# Altium PCB PCIe_to_M2E.PcbDoc (part 1 of 6) (continued)
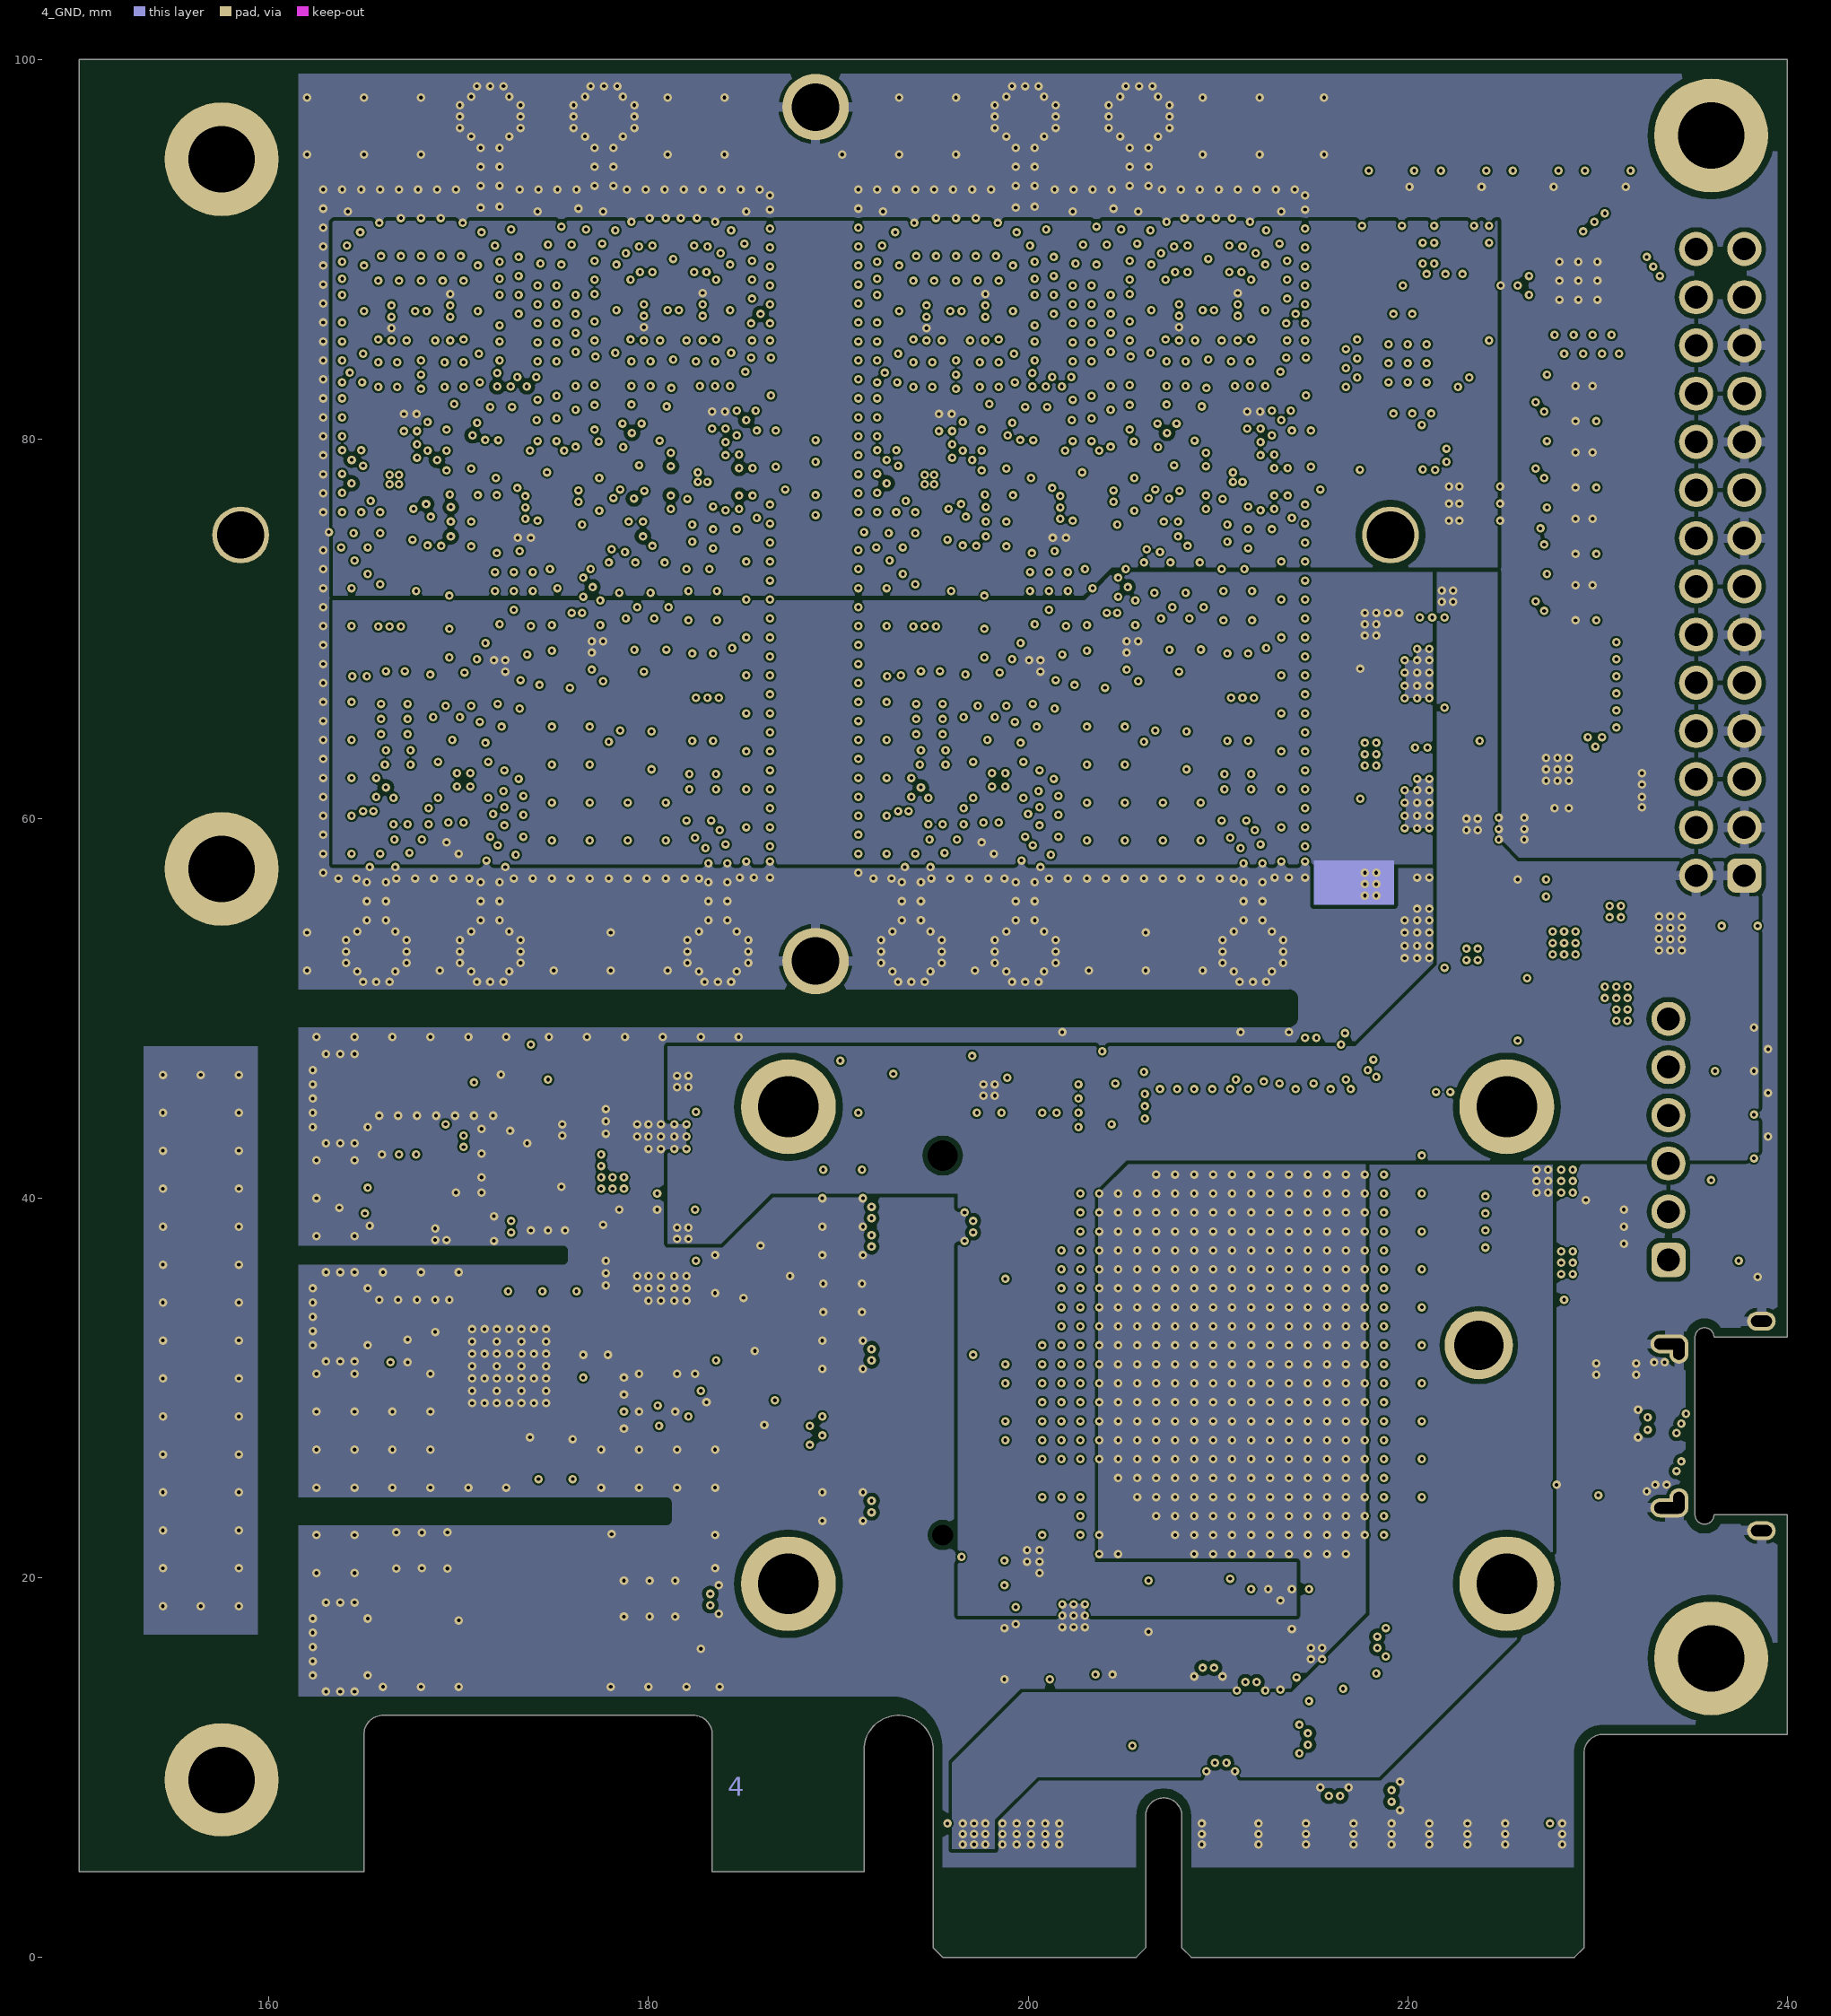
[diagram p4: 4_GND]
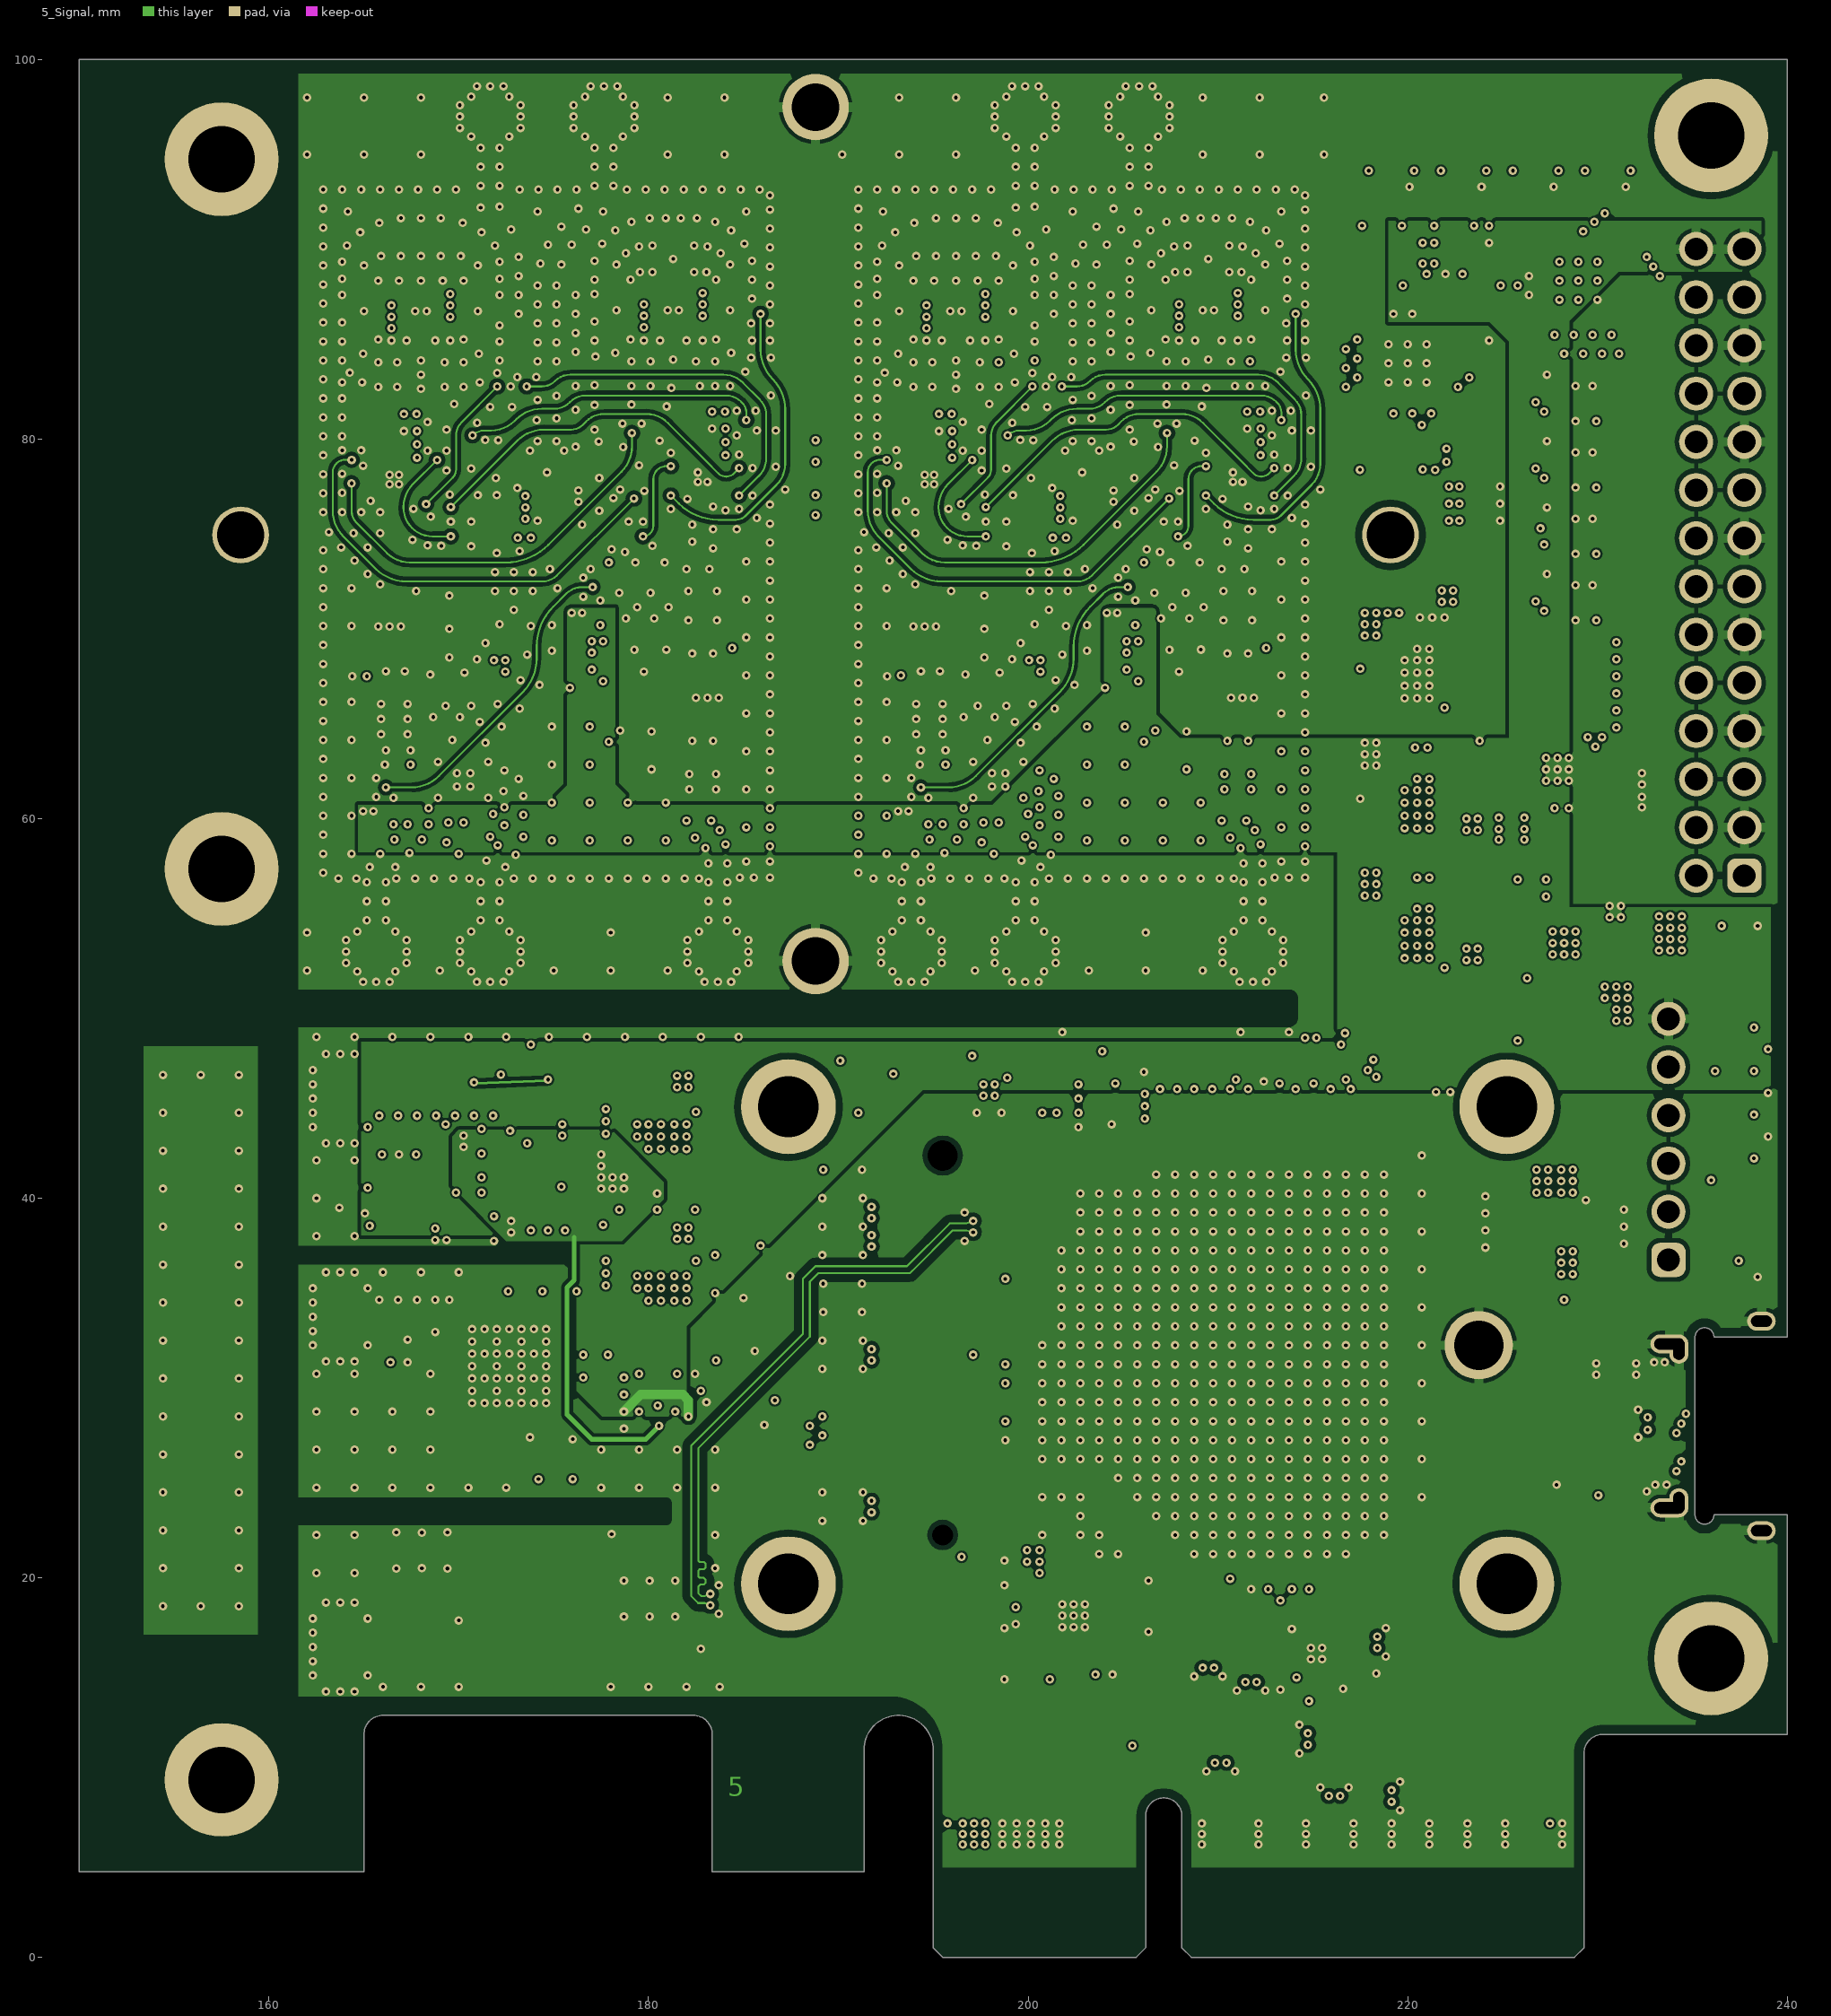
[diagram p5: 5_Signal]
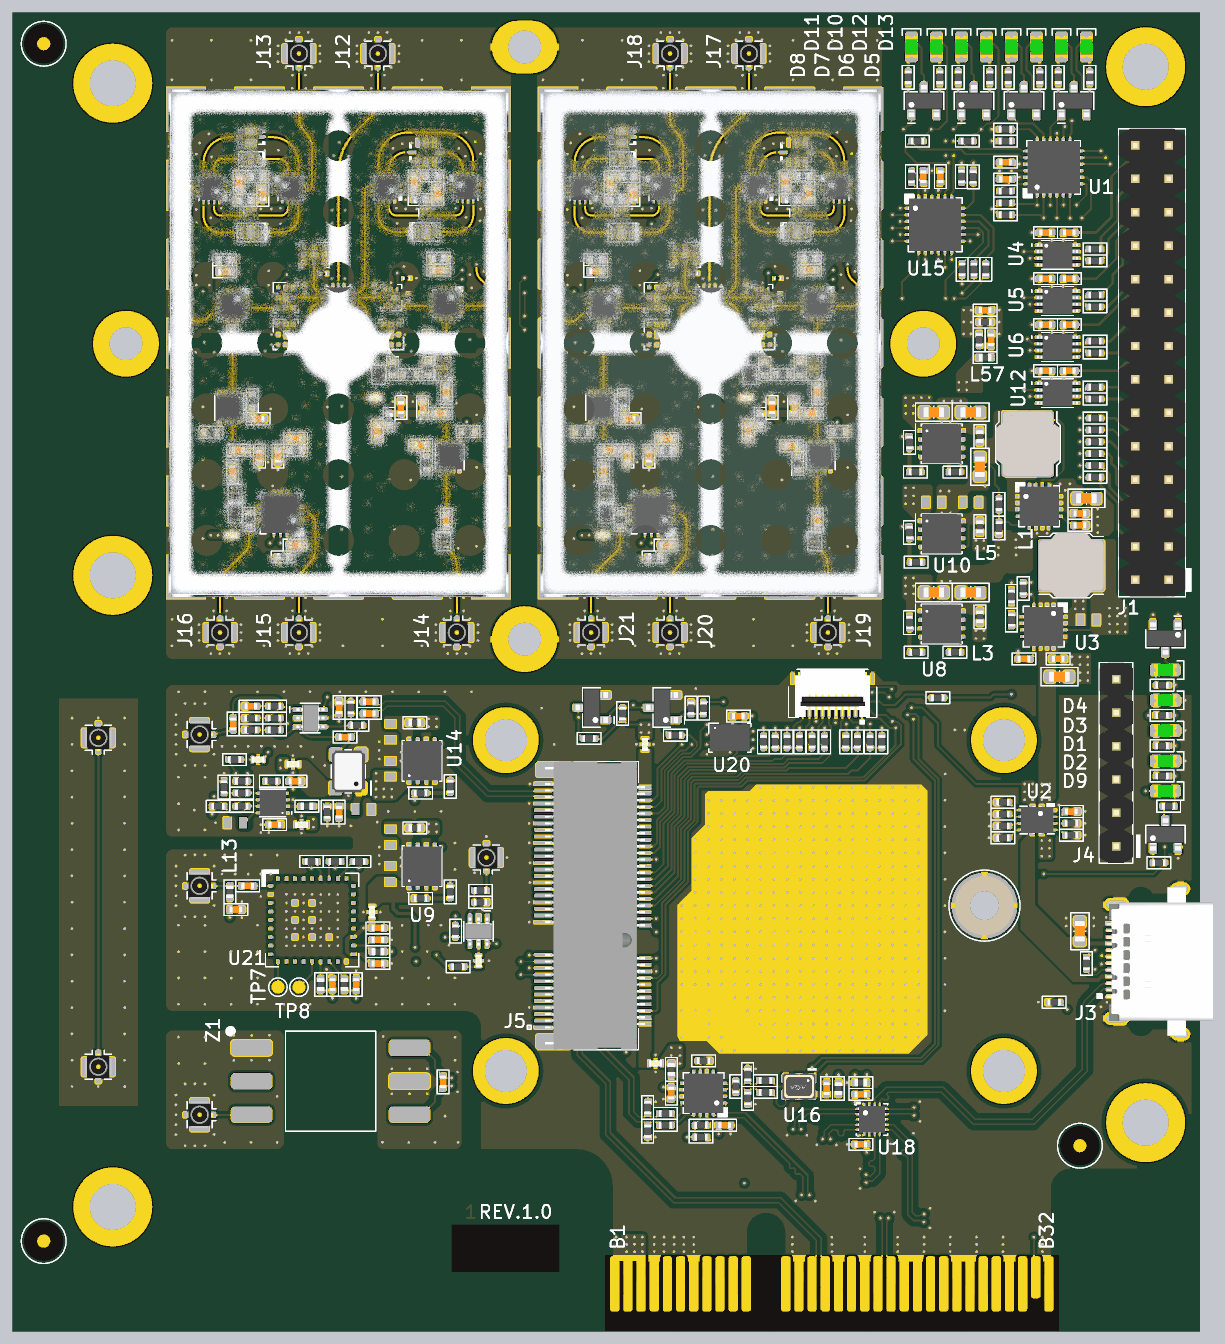
[diagram p11: 3D render of the assembled board from above, using the file's embedded part models]

## Layer stack, top to bottom
Top Solder: solder mask 0.01, Solder Resist, Dk 3.5
1_TOP: signal copper 0.038
PP01: prepreg 0.0946, PP-006, Dk 4.1
2_GND: signal copper 0.018
CORE01: core 0.24, PP-006, Dk 4.1
3_Signal: signal copper 0.018
PP02: dielectric 0.8, FR-4, Dk 4.8
4_GND: signal copper 0.018
CORE02: core 0.24, PP-006, Dk 4.1
5_Signal: signal copper 0.018
PP03: prepreg 0.0946, PP-006, Dk 4.1
6_BOTTOM: signal copper 0.038
Bottom Solder: solder mask 0.01, Solder Resist, Dk 3.5

## Board outline
150,4.5 165,4.5 165,11.75 cw(c166,11.75) 166,12.75 182.35,12.75 cw(c182.35,11.75) 183.35,11.75 183.35,4.5 191.35,4.5 191.35,10.925 cw(c193.175,10.925) 195,10.925 195,0.5 195.5,0 205.7,0 206.2,0.5 206.2,7.45 cw(c207.15,7.45) 208.1,7.45 208.1,0.5 208.6,0 228.8,0 229.3,0.5 229.3,10.75 cw(c230.3,10.75) 230.3,11.75 240,11.75 240,23.325 236.15,23.325 cw(c235.65,23.325) 235.15,23.325 235.15,32.675 cw(c235.65,32.675) 236.15,32.675 240,32.675 240,100 150,100

## Design rules (kind name [scope] priority, off if disabled: settings)
BoardOutlineClearance BoardOutlineClearance_via [(ObjectKind = 'Via') And (Net = 'USB_CC2') And (AsMM(X1) = 234.674) And (AsMM(Y1) = 28.636)] p1: gap=0.25 ignorepadtopadclearanceinfootprint=FALSE
BoardOutlineClearance BOCL_J4 [InComponent('J2') or InComponent('J3')] p2: gap=0 ignorepadtopadclearanceinfootprint=FALSE
BoardOutlineClearance [All] p3: gap=0.5 ignorepadtopadclearanceinfootprint=FALSE
Clearance CL_Default_U18 [InComponent('U18')] p1: gap=0.1 ignorepadtopadclearanceinfootprint=TRUE except(0: Arc-Hole Track-Hole SMDPad-Hole THPad-Hole Via-Hole Fill-Hole Poly-Hole Region-Hole Text-Hole)
Clearance CL_MH_J5_KEEPOUT [InPadClass('J5MH') vs IsKeepOut] p2: gap=0 ignorepadtopadclearanceinfootprint=TRUE
Clearance CL_MH_J5 [InPadClass('J5MH')] p3: gap=0.25 ignorepadtopadclearanceinfootprint=TRUE except(0: Arc-Hole Track-Hole SMDPad-Hole THPad-Hole Via-Hole Fill-Hole Poly-Hole Region-Hole Text-Hole)
Clearance CL_MH [InPadClass('MH')] p4: gap=0.35 ignorepadtopadclearanceinfootprint=TRUE except(0: Arc-Hole Track-Hole SMDPad-Hole THPad-Hole Via-Hole Fill-Hole Poly-Hole Region-Hole Text-Hole)
Clearance CL_FID [IsKeepOut vs InPadClass('FID')] p5: gap=0 ignorepadtopadclearanceinfootprint=TRUE
Clearance CL_RF_CON [IsKeepOut vs InComponentClass('RF_con')            or InComponent('J24')] p6: gap=0 ignorepadtopadclearanceinfootprint=TRUE
Clearance CL_Diff_pair [InAnyDifferentialPair] p7: gap=0.2 ignorepadtopadclearanceinfootprint=TRUE except(0: Arc-Hole Track-Hole SMDPad-Hole THPad-Hole Via-Hole Fill-Hole Poly-Hole Region-Hole Text-Hole; 0.1: Arc-Arc Arc-Track Arc-Via Track-Track Track-Via SMDPad-Via Via-Via; 0.125: Arc-SMDPad Track-SMDPad; 0.15: SMDPad-SMDPad; 0.25: Arc-THPad Track-THPad SMDPad-THPad THPad-THPad THPad-Via THPad-Fill THPad-Poly THPad-Region; 0.4: Arc-Fill Arc-Poly Arc-Region Track-Fill Track-Poly)
Clearance CL_50_Ohm_RF [InNetClass('50_Ohm_RF')] p8: gap=0.2 ignorepadtopadclearanceinfootprint=TRUE except(0: Arc-Hole Track-Hole SMDPad-Hole THPad-Hole Via-Hole Fill-Hole Poly-Hole Region-Hole Text-Hole; 0.1: Arc-Arc Arc-Track Arc-Via Track-Track Track-Via SMDPad-Via Via-Via; 0.125: Arc-SMDPad Track-SMDPad; 0.195: SMDPad-SMDPad; 0.25: Arc-THPad Track-THPad SMDPad-THPad THPad-THPad THPad-Via THPad-Fill THPad-Poly THPad-Region)
Clearance CL_INNER_LAYERS [InLayerClass('Inner_Layers')] p9: gap=0.2 ignorepadtopadclearanceinfootprint=FALSE except(0: Arc-Hole Track-Hole SMDPad-Hole THPad-Hole Via-Hole Fill-Hole Poly-Hole Region-Hole Text-Hole; 0.1: Arc-Arc Arc-Track Arc-Via Track-Track Track-Via SMDPad-Via Via-Via Via-Fill Via-Poly Via-Region; 0.125: Arc-SMDPad Track-SMDPad; 0.25: Arc-THPad Track-THPad SMDPad-THPad THPad-THPad THPad-Via THPad-Fill THPad-Poly THPad-Region)
Clearance CL_Default [All] p10: gap=0.2 ignorepadtopadclearanceinfootprint=TRUE except(0: Arc-Hole Track-Hole SMDPad-Hole THPad-Hole Via-Hole Fill-Hole Poly-Hole Region-Hole Text-Hole; 0.1: Arc-Arc Arc-Track Arc-Via Track-Track Track-Via SMDPad-Via Via-Via; 0.125: Arc-SMDPad Track-SMDPad; 0.25: Arc-THPad Track-THPad SMDPad-THPad THPad-THPad THPad-Via THPad-Fill THPad-Poly THPad-Region)
DiffPairsRouting DP_90_Ohm [InDifferentialPairClass('90_Ohm')] p1: maxlimit=0.254 minlimit=0.2 mostfreqgap=0.254 toplayer_maxgap=0.2 toplayer_prefgap=0.2 toplayer_minwidth=0.14 toplayer_maxwidth=0.14 toplayer_prefwidth=0.14 midlayer1_mingap=0.254 midlayer1_minwidth=0.381 midlayer1_maxwidth=0.381 midlayer1_prefwidth=0.381 midlayer2_mingap=0.254 midlayer2_minwidth=0.381 midlayer2_maxwidth=0.381 midlayer2_prefwidth=0.381 midlayer3_mingap=0.254 midlayer3_minwidth=0.381 midlayer3_maxwidth=0.381 midlayer3_prefwidth=0.381 midlayer4_mingap=0.254 midlayer4_minwidth=0.381 midlayer4_maxwidth=0.381 midlayer4_prefwidth=0.381 bottomlayer_maxgap=0.2 bottomlayer_prefgap=0.2 bottomlayer_minwidth=0.14 bottomlayer_maxwidth=0.14 bottomlayer_prefwidth=0.14 maxuncoupledlength=12.7
DiffPairsRouting DP_100_Ohm [InDifferentialPairClass('100_Ohm')] p2: maxlimit=0.5 minlimit=0.25 mostfreqgap=0.5 toplayer_maxgap=0.25 toplayer_prefgap=0.25 toplayer_minwidth=0.12 toplayer_maxwidth=0.12 toplayer_prefwidth=0.12 midlayer1_mingap=0.5 midlayer1_minwidth=0.5 midlayer1_maxwidth=0.5 midlayer1_prefwidth=0.5 midlayer2_mingap=0.27 midlayer2_maxgap=0.27 midlayer2_prefgap=0.27 midlayer2_minwidth=0.1 midlayer2_maxwidth=0.1 midlayer2_prefwidth=0.1 midlayer3_mingap=0.5 midlayer3_minwidth=0.5 midlayer3_maxwidth=0.5 midlayer3_prefwidth=0.5 midlayer4_mingap=0.5 midlayer4_minwidth=0.5 midlayer4_maxwidth=0.5 midlayer4_prefwidth=0.5 bottomlayer_maxgap=0.25 bottomlayer_prefgap=0.25 bottomlayer_minwidth=0.12 bottomlayer_maxwidth=0.12 bottomlayer_prefwidth=0.12 maxuncoupledlength=12.7
Height [All] p1: minheight=0 maxheight=999 prefheight=12.7
HoleSize [All] p1: absolutevalues=TRUE maxlimit=10 minlimit=0.025 maxpercent=80.000 minpercent=20.000
HoleToHoleClearance HTHCL [InComponent('J3') vs InComponent('J3')] p1: gap=0 allowstackedmicrovias=TRUE
HoleToHoleClearance [All] p2: gap=0.254 allowstackedmicrovias=TRUE
MatchedLengths [All] p1: tolerance=0.1 checknetsindiffpair=TRUE checkdiffpairvsdiffpair=FALSE checkxsignals=FALSE checkothers=FALSE
MinimumSolderMaskSliver MinimumSolderMaskSliver_U18 [(ObjectKind = 'Component') And (Name = 'U18') And (Footprint = 'QFN19P40_200X200X40L25X20T100N')] p1: minsoldermaskwidth=0
MinimumSolderMaskSliver [All] p2: minsoldermaskwidth=0.05
PolygonConnect [All] p1: thpad.connectstyle=Relief thpad.reliefconductorwidth=0.5 thpad.reliefentries=4 thpad.polygonreliefangle="90 Angle" thpad.airgapwidth=0.2 smdpad.connectstyle=Direct smdpad.reliefconductorwidth=0.2 smdpad.reliefentries=4 smdpad.polygonreliefangle="90 Angle" smdpad.airgapwidth=0.1 via.connectstyle=Direct via.reliefconductorwidth=0.254 via.reliefentries=4 via.polygonreliefangle="90 Angle" via.airgapwidth=0.254
RoutingVias [All] p1: holewidth=0.711 width=0.5 viastyle="Through Hole" minholewidth=0.711 minwidth=0.5 maxholewidth=0.711 maxwidth=0.5 useviatemplates=TRUE viatemplateguid#1={9582DA58-FCE0-4B66-A431-5CC799179341} viatemplatename#1=v45h20m0mx0
SilkToSilkClearance [All] p1: silktosilkclearance=0
SilkToSolderMaskClearance [IsPad] p1: minsilkscreentomaskgap=0.1 clearancetoexposedcopper=TRUE
SolderMaskExpansion [All] p1: expansion=0.102 istentingtop=FALSE
UnRoutedNet [All] p1: checkbadconnections=TRUE
Width W_50_Ohm_RF [InNetClass('50_Ohm_RF')] p1: maxlimit=0.5 minlimit=0.1 preferedwidth=0.5 toplayer_maxwidth=0.15 toplayer_prefwidth=0.15 midlayer1_minwidth=0.5 midlayer2_maxwidth=0.1 midlayer2_prefwidth=0.1 midlayer3_minwidth=0.5 midlayer4_minwidth=0.5 bottomlayer_minwidth=0.5 minimp=50.000000 maximp=50.000000 favimp=50.000000
Width [All] p2: maxlimit=0.5 minlimit=0.1 preferedwidth=0.15
22 further rules are at their usual default settings.

## Classes and differential pairs
pad class J5MH: J5-MH
component class PCIe_to_M2E: C30 C31 C32 C33 C34 C35 C36 C37 C38 C39 C40 C41 C42 C43 C44 C45 C46 C47 C48 C49 C50 C51 C52 C53 C54 C55 C56 C57 C58 C59 C67 C81 C106 C107 C110 D9 D10 D11 D12 D13 J2 J3 J4 J5 J6 J7 J8 J9 J10 J22 J24 L7 L8 L9 L10 L11 L12 L13 L14 Mech1 Mech2 Mech4 Q6 Q7 Q8 R19 R20 R21 R22 R53 R54 R55 R56 R57 R58 R59 R60 R61 R62 R63 R64 R65 R66 R67 R68 R69 R70 R71 R72 R73 R74 R75 R76 R77 R78 R79 R80 R81 R82 R83 R84 R85 R86 R87 R88 R89 R90 R91 R92 R93 R94 R95 R96 R98 R100 R101 R102 R103 R104 R105 R106 R107 R108 R109 R130 R131 R132 R133 R134 R135 R138 TP7 TP8 U13 U15 U16 U17 U18 U19 U20 U21 U22 U47 Z1
pad class FID: FID1-FID FID2-FID FID3-FID
pad class MH: Free-MH J5-MH Mech2-MH Mech4-MH
component class B1: C85 C86 C87 C88 C90 C91 C92 C93 C94 C95 C96 C97 C98 C99 C100 C101 C102 C108 C109 J17 J18 J19 J20 J21 L46 L47 L48 L50 L51 L52 L53 L54 L56 Mech5 R117 R118 R119 R120 R121 R122 R123 R124 R136 R137 U38 U39 U40 U41 U42 U43 U44 U45 U46 Z22 Z23 Z24 Z25 Z26 Z27 Z28 Z29 Z30 Z31
component class C1: C82 C83 C84 L36 L37 L38 L39 L40 L41 L42 L43 L44 L45 U35 U36 U37 Z14 Z18 Z19 Z20 Z21
differential pair class 90_Ohm: USB_D
differential pair class 100_Ohm: CAL EXTREF H_PCIE_RX1 H_PCIE_TX1 H_RX0 H_RX1 H_TX0 H_TX1 H_USB3_RX H_USB3_TX PCI_REF_CLK SERDES_REF_CLK USB_D
net class 50_Ohm_RF: NetC51_1 NetC51_2 NetC57_1 NetC58_1 NetC58_2 NetC66_1 NetC66_2 NetC67_1 NetC72_1 NetC72_2 NetC73_1 NetC73_2 NetC80_1 NetC80_2 NetC81_1 NetC81_2 NetC88_1 NetC88_2 NetC94_1 NetC94_2 NetC95_1 NetC95_2 NetC102_1 NetC102_2 NetJ10_1 NetJ12_1 NetJ13_1 NetJ14_1 NetJ15_1 NetJ16_1 NetJ17_1 NetJ18_1 NetJ19_1 NetJ20_1 NetJ21_1 NetL29_1 NetL30_1 NetL31_1 NetL32_1 NetL33_1 NetL34_1 NetL35_1 NetL37_1 NetL38_1 NetL39_1 NetL40_1 NetL41_1 NetL42_1 NetL43_1 NetR110_2 NetR111_2 NetR114_2 NetR118_2 NetR119_2 NetR123_2 NetU24_5 NetU24_11 NetU24_12 NetU24_13 NetU25_5 NetU25_11 NetU25_12 NetU25_13 NetU26_4 NetU26_6 NetU26_7 NetU26_9 NetU26_11 NetU27_4 NetU27_6 NetU27_9 NetU27_11 NetU28_4 NetU28_6 NetU28_7 NetU28_11 NetU29_4 NetU29_6 NetU29_7 NetU29_9 NetU29_11 NetU31_3 NetU34_1 NetU38_9 NetU39_9 NetU41_9 NetU43_3 NetU46_1 NetZ17_3 NetZ29_3
differential pair H_USB3_RX: +H_USB3_RX_P -H_USB3_RX_N
differential pair H_USB3_TX: +H_USB3_TX_P -H_USB3_TX_N
differential pair SERDES_REF_CLK: +SERDES_REF_CLK_P -SERDES_REF_CLK_N
differential pair H_TX0: +H_TX0_P -H_TX0_N
differential pair H_PCIE_TX1: +H_PCIE_TX1_P -H_PCIE_TX1_N
differential pair USB_D: +USB_D_P -USB_D_N
differential pair PCI_REF_CLK: +PCI_REF_CLK_P -PCI_REF_CLK_N
differential pair H_TX1: +H_TX1_P -H_TX1_N
differential pair H_RX1: +H_RX1_P -H_RX1_N
differential pair H_RX0: +H_RX0_P -H_RX0_N
differential pair H_PCIE_RX1: +H_PCIE_RX1_P -H_PCIE_RX1_N
differential pair EXTREF: +EXTREF_P -EXTREF_N
differential pair CAL: +CAL_P -CAL_N

## Components (designator, comment, footprint, x,y, rotation, side; value= is the part's Value field where it differs from the comment)
C1 "GRM155R71E104KE14D" CAPC100X50X55L25N 225.35,88.75 r0 top value=0.1u
C2 "GRM155R71E104KE14D" CAPC100X50X55L25N 225.35,87.45 r0 top value=0.1u
C3 "Cap-0603-X5R-25V-10u-20%" CAPC160X80X100L40N 229.45,49.65 r0 top value=10u
C4 "GRM155R71E104KE14D" CAPC100X50X55L25N 226.75,51 r180 top value=0.1u
C5 "GRM155R71E104KE14D" CAPC100X50X55L25N 229.35,51 r0 top value=0.1u
C6 "GRM155R71E104KE14D" CAPC100X50X55L25N 230.35,39.4 r0 top value=0.1u
C7 "GRM188C80G476ME01D" SMD-0603-CAP_HighDensity 231.65,53.95 r180 top value=47µF
C8 "GRM155R71E104KE14D" CAPC100X50X55L25N 228.4,83.4 r0 top value=0.1u
C9 "GRM155R71E104KE14D" CAPC100X50X55L25N 228.4,79.9 r0 top value=0.1u
C10 "GRM155R71E104KE14D" CAPC100X50X55L25N 228.4,76.4 r0 top value=0.1u
C11 "GRM155R71E104KE14D" CAPC100X50X55L25N 230.2,83.4 r0 top value=0.1u
C12 "GRM155R71E104KE14D" CAPC100X50X55L25N 230.2,79.9 r0 top value=0.1u
C13 "GRM155R71E104KE14D" CAPC100X50X55L25N 230.2,76.4 r0 top value=0.1u
C14 "Cap-0603-X5R-25V-10u-20%" CAPC160X80X100L40N 222.7,69.75 r180 top value=10u
C15 "Cap-0603-X5R-25V-10u-20%" CAPC160X80X100L40N 222.7,56.05 r180 top value=10u
C16 "GRM188C80G476ME01D" SMD-0603-CAP_HighDensity 178.6,37.45 r270 top value=47µF
C17 "GRM188C80G476ME01D" SMD-0603-CAP_HighDensity 222.7,62.9 r180 top value=47µF
C18 "Cap-0603-X5R-25V-10u-20%" CAPC160X80X100L40N 231.5,63.2 r0 top value=10u
C19 "GRM155R71E104KE14D" CAPC100X50X55L25N 228.4,72.9 r0 top value=0.1u
C20 "GRM155R71E104KE14D" CAPC100X50X55L25N 231,61.15 r0 top value=0.1u
C21 "GRM188C80G476ME01D" SMD-0603-CAP_HighDensity 178.6,34.65 r90 top value=47µF
C22 "GRM188C80G476ME01D" SMD-0603-CAP_HighDensity 219.9,62.9 r0 top value=47µF
C23 "Cap-0603-X5R-25V-10u-20%" CAPC160X80X100L40N 219.9,69.75 r0 top value=10u
C24 "Cap-0603-X5R-25V-10u-20%" CAPC160X80X100L40N 219.9,56.05 r0 top value=10u
C25 "GRM155R71E104KE14D" CAPC100X50X55L25N 231,62.05 r0 top value=0.1u
C26 "GRM155R71E104KE14D" CAPC100X50X55L25N 230.2,72.9 r0 top value=0.1u
C27 "Cap-0603-X5R-25V-10u-20%" CAPC160X80X100L40N 223.4,65.6 r270 top value=10u
C28 "GRM188C80G476ME01D" SMD-0603-CAP_HighDensity 178.6,45.45 r270 top value=47µF
C29 "GRM188C80G476ME01D" SMD-0603-CAP_HighDensity 178.6,42.65 r90 top value=47µF
C30 "GRM155R71E104KE14D" CAPC100X50X55L25N 219.1,87.65 r90 top value=0.1u
C31 "GRM155R71E104KE14D" CAPC100X50X55L25N 220.4,87.65 r90 top value=0.1u
C32 "GRM155R71E104KE14D" CAPC100X50X55L25N 211.75,18.35 r90 top value=0.1u
C33 "Cap-0603-X5R-25V-10u-20%" CAPC160X80X100L40N 231,30.3 r90 top value=10u
C34 "GRM155R71E104KE14D" CAPC100X50X55L25N 199.95,18 r270 top value=0.1u
C35 "GRM155R71E104KE14D" CAPC100X50X55L25N 214.35,17.9 r180 top value=0.1u
C36 "GRM155R71E104KE14D" CAPC100X50X55L25N 204,15.55 r0 top value=0.1u
C37 "GRM155R71E104KE14D" CAPC100X50X55L25N 214.35,14.1 r180 top value=0.1u
C38 "Cap-0402-NP0-50V-1000p-20%" CAPC100X50X55L25N 169.8,38.4 r0 top value=1000p
C39 "GRM188C80G476ME01D" SMD-0603-CAP_HighDensity 166.8,38.55 r180 top value=47µF
C40 "NFM15PC146R0G3D" CAPCEMI100X50X50L20N 171.85,38.4 r0 top value=14u/4V
C41 "NFM15PC146R0G3D" CAPCEMI100X50X50L20N 197.95,44.5 r90 top value=14u/4V
C42 "NFM15PC146R0G3D" CAPCEMI100X50X50L20N 198.75,20.25 r0 top value=14u/4V
C43 "GRM188C80G476ME01D" SMD-0603-CAP_HighDensity 176.55,39.55 r0 top value=47µF
C44 "Cap-0402-NP0-50V-33p-20%" CAPC100X50X55L25N 174.2,26.25 r90 top value=33p
C45 "Cap-0402-NP0-50V-33p-20%" CAPC100X50X55L25N 176,26.25 r90 top value=33p
C46 "NFM15PC146R0G3D" CAPCEMI100X50X50L20N 171.2,43 r0 top value=14u/4V
C47 "GRM155R71E104KE14D" CAPC100X50X55L25N 205.05,46.65 r180 top value=0.1u
C48 "Cap-0402-NP0-50V-1000p-20%" CAPC100X50X55L25N 171.35,41.7 r0 top value=1000p
C49 "Cap-0402-NP0-50V-1000p-20%" CAPC100X50X55L25N 174.7,39.35 r270 top value=1000p
C50 "Cap-0402-DNP" CAPC100X50X55L25N 182.6,18.85 r90 top value=DNP
C51 "Cap-0402-NP0-50V-1000p-20%" CAPC100X50X55L25N 167.75,33.75 r0 top value=1000p
C52 "Cap-0402-NP0-50V-1000p-20%" CAPC100X50X55L25N 177.65,30.55 r0 top value=1000p
C53 "Cap-0402-NP0-50V-1000p-20%" CAPC100X50X55L25N 177.65,29.65 r180 top value=1000p
C54 "Cap-0402-NP0-50V-1000p-20%" CAPC100X50X55L25N 177.65,27.85 r0 top value=1000p
C55 "Cap-0402-NP0-50V-1000p-20%" CAPC100X50X55L25N 166.85,31.95 r180 top value=1000p
C56 "Cap-0402-NP0-50V-1000p-20%" CAPC100X50X55L25N 177,47.75 r0 top value=1000p
C57 "Cap-0402-NP0-50V-1000p-20%" CAPC100X50X55L25N 177,46.85 r0 top value=1000p
C58 "Cap-0402-NP0-50V-1000p-20%" CAPC100X50X55L25N 166.65,46.05 r270 top value=1000p
C59 "NFM15PC146R0G3D" CAPCEMI100X50X50L20N 177.2,31.75 r90 top value=14u/4V
C60 "GRM155R71E104KE14D" CAPC100X50X55L25N 175.25,75.7 r180 top value=0.1u
C61 "GRM155R71E104KE14D" CAPC100X50X55L25N 182.25,80.55 r0 top value=0.1u
C62 "GRM155R71E104KE14D" CAPC100X50X55L25N 166,80.425 r0 top value=0.1u
C63 "GRM155R71E104KE14D" CAPC100X50X55L25N 180.4,87.25 r270 top value=0.1u